# Altium PCB PCB2.PcbDoc (part 7 of 9) (continued)
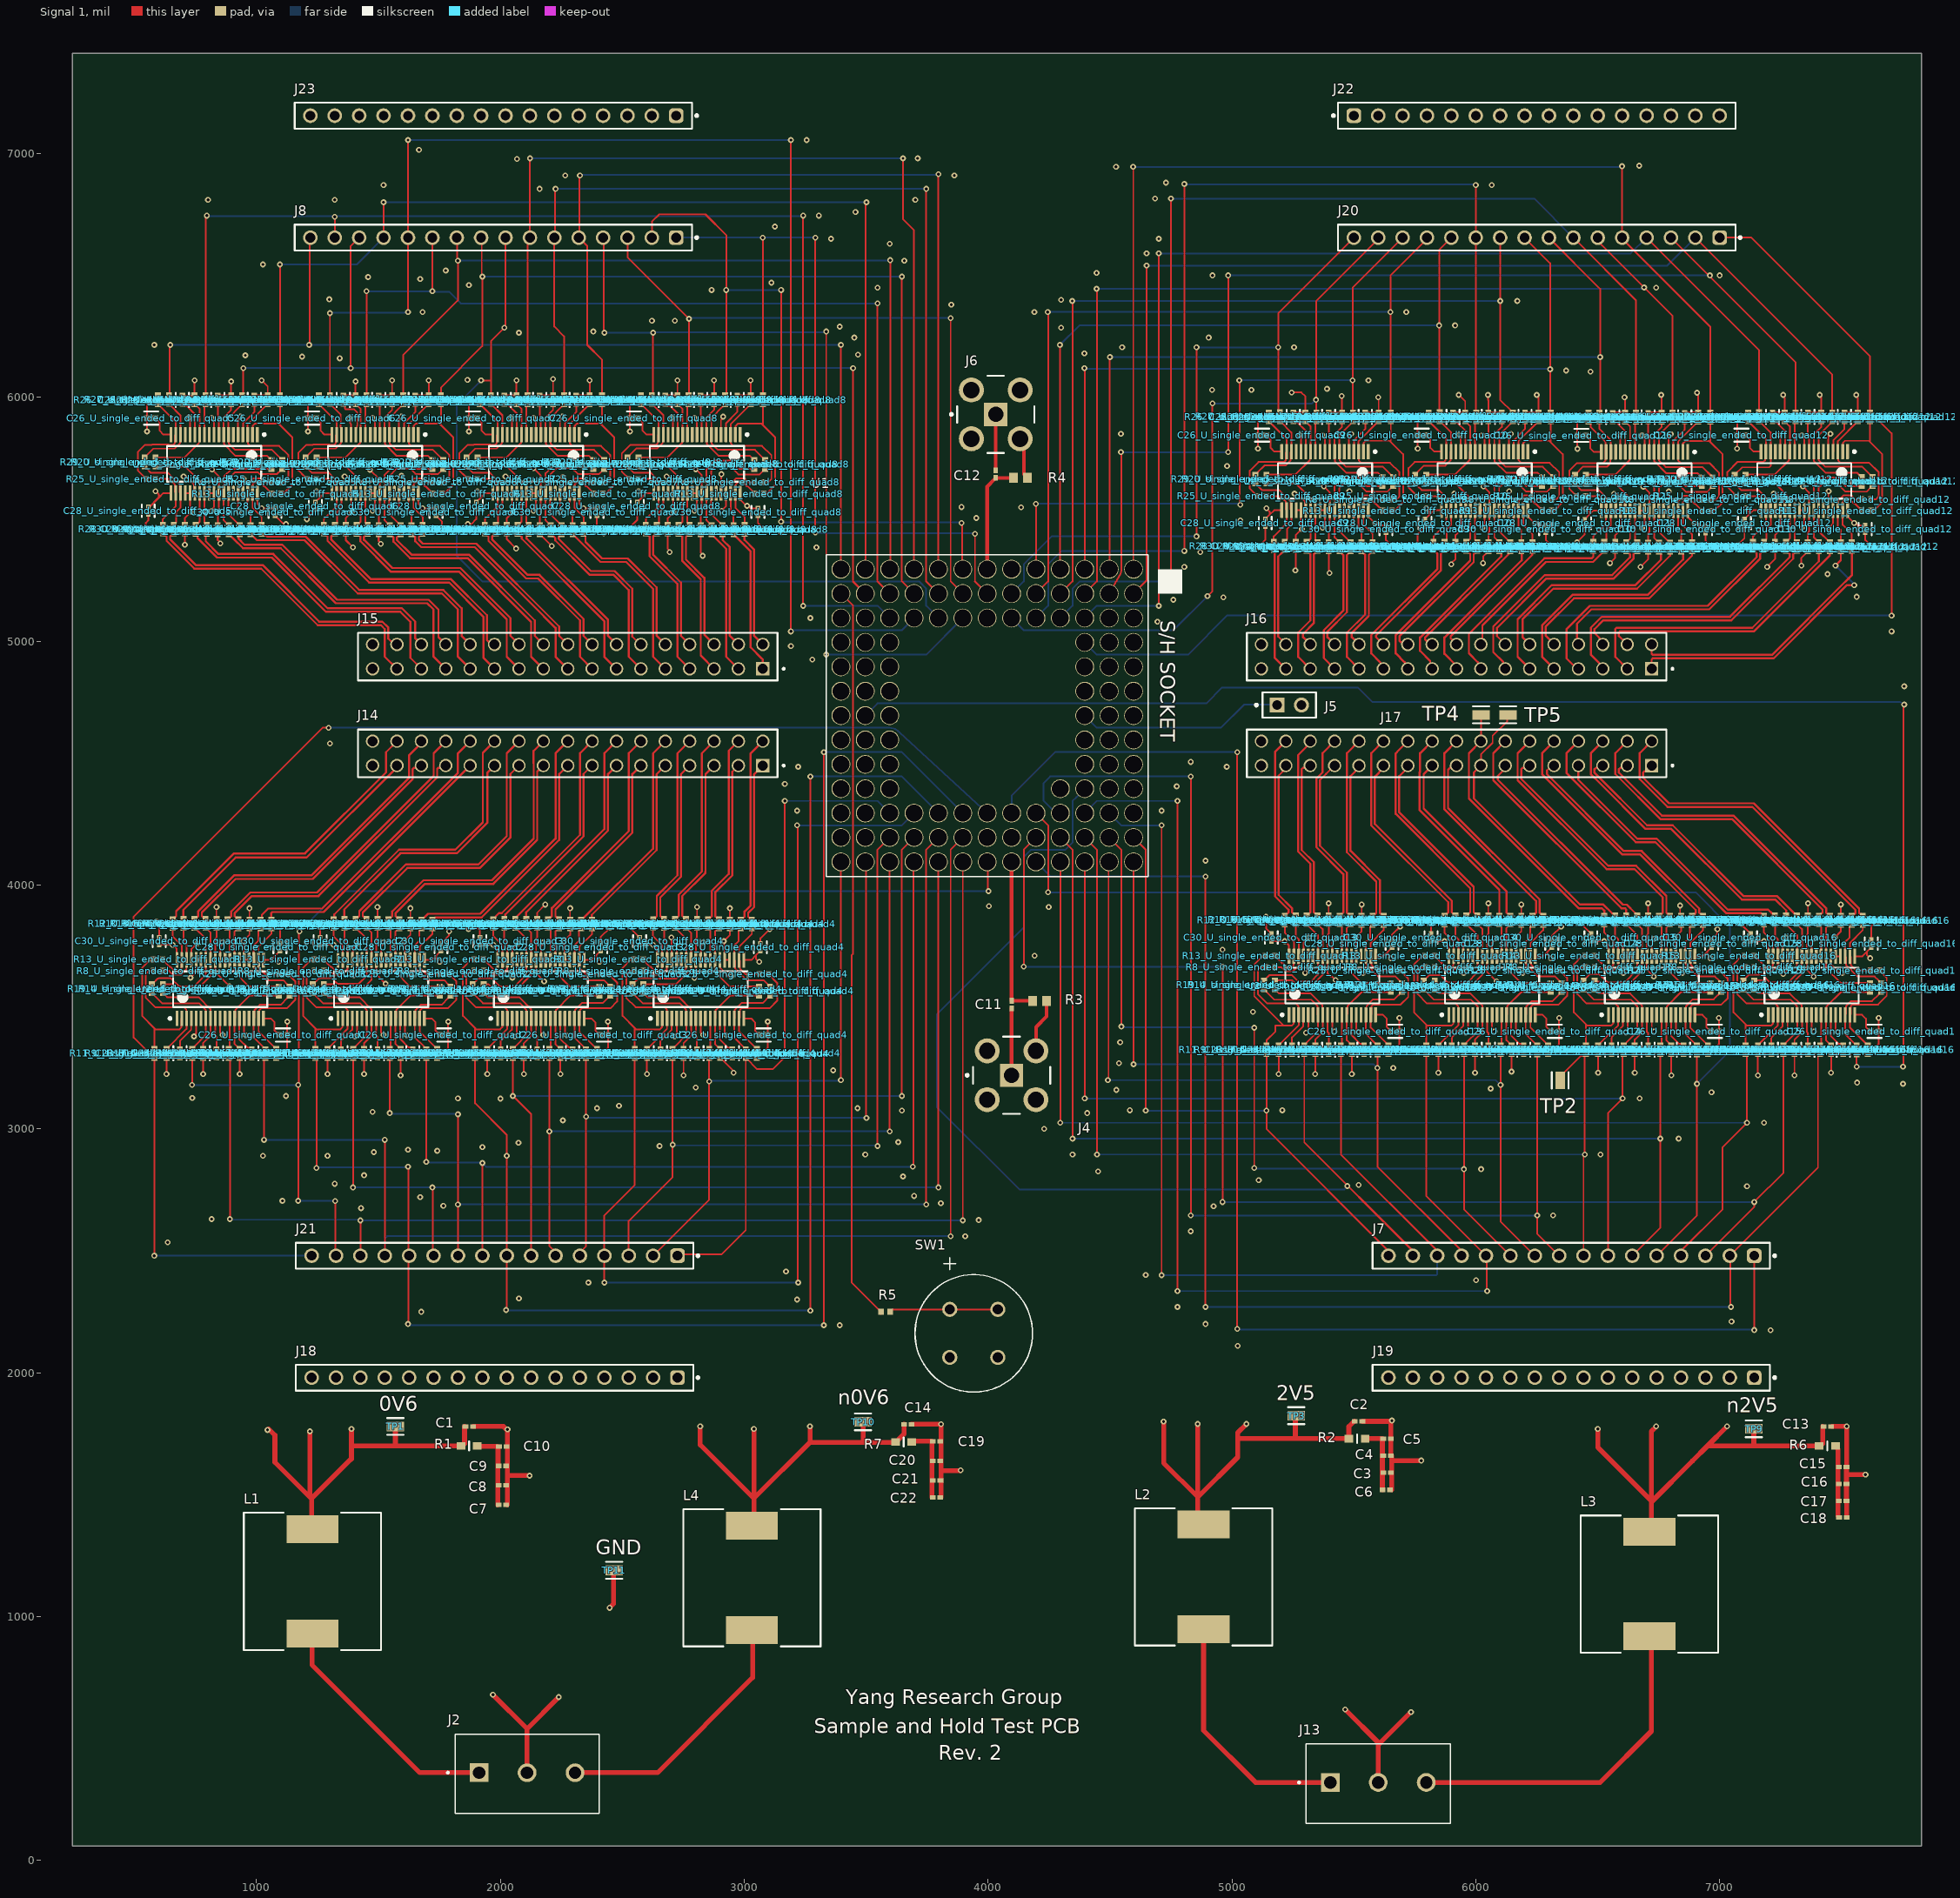
[diagram p0: Signal 1 view]
## Nets (pads, with @x,y where several pads share a name; then routed paths per layer and width w, separated by ;. In a path a pad name is that pad's centre, name@x,y a point inside that pad or via, vN(x,y) a via of type N, cw(c..) or ccw(c..) an arc to the next point about the centre after c; other vN are vias at no path point) (continued)
NetR12_U_single_ended_to_diff_quad6_2: R12_U_single_ended_to_diff_quad6.2 R13_U_single_ended_to_diff_quad6.2 U2_U_single_ended_to_diff_quad6.37 | length 283.6
  Signal 1 w7: R12_U_single_ended_to_diff_quad6.2@1681.68,5477.2 1681.68,5509.64 1644.16,5547.16 U2_U_single_ended_to_diff_quad6.37@1644.16,5607.13 1644.94,5607.91 1644.94,5642.87 1653.7,5651.62 1674,5651.62 1689.85,5635.77 1693.19,5635.77 1721.7,5607.26 R13_U_single_ended_to_diff_quad6.2@1721.7,5603.92
NetR12_U_single_ended_to_diff_quad7_2: R12_U_single_ended_to_diff_quad7.2 R13_U_single_ended_to_diff_quad7.2 U2_U_single_ended_to_diff_quad7.37 | length 283.6
  Signal 1 w7: R12_U_single_ended_to_diff_quad7.2@2341.68,5477.2 2341.68,5509.64 2304.16,5547.16 U2_U_single_ended_to_diff_quad7.37@2304.16,5607.13 2304.94,5607.91 2304.94,5642.87 2313.7,5651.62 2334,5651.62 2349.85,5635.77 2353.19,5635.77 2381.7,5607.26 R13_U_single_ended_to_diff_quad7.2@2381.7,5603.92
NetR12_U_single_ended_to_diff_quad8_2: R12_U_single_ended_to_diff_quad8.2 R13_U_single_ended_to_diff_quad8.2 U2_U_single_ended_to_diff_quad8.37 | length 283.6
  Signal 1 w7: R12_U_single_ended_to_diff_quad8.2@3001.68,5477.2 3001.68,5509.64 2964.16,5547.16 U2_U_single_ended_to_diff_quad8.37@2964.16,5607.13 2964.94,5607.91 2964.94,5642.87 2973.7,5651.62 2994,5651.62 3009.85,5635.77 3013.19,5635.77 3041.7,5607.26 R13_U_single_ended_to_diff_quad8.2@3041.7,5603.92
NetR12_U_single_ended_to_diff_quad9_2: R12_U_single_ended_to_diff_quad9.2 R13_U_single_ended_to_diff_quad9.2 U2_U_single_ended_to_diff_quad9.37 | length 283.6
  Signal 1 w7: R12_U_single_ended_to_diff_quad9.2@5576.68,5407.2 5576.68,5439.64 5539.16,5477.16 U2_U_single_ended_to_diff_quad9.37@5539.16,5537.13 5539.94,5537.91 5539.94,5572.87 5548.7,5581.62 5569,5581.62 5584.85,5565.77 5588.19,5565.77 5616.7,5537.26 R13_U_single_ended_to_diff_quad9.2@5616.7,5533.92
NetR12_U_single_ended_to_diff_quad10_2: R12_U_single_ended_to_diff_quad10.2 R13_U_single_ended_to_diff_quad10.2 U2_U_single_ended_to_diff_quad10.37 | length 283.6
  Signal 1 w7: R12_U_single_ended_to_diff_quad10.2@6231.68,5407.2 6231.68,5439.64 6194.16,5477.16 U2_U_single_ended_to_diff_quad10.37@6194.16,5537.13 6194.94,5537.91 6194.94,5572.87 6203.7,5581.62 6224,5581.62 6239.85,5565.77 6243.19,5565.77 6271.7,5537.26 R13_U_single_ended_to_diff_quad10.2@6271.7,5533.92
NetR12_U_single_ended_to_diff_quad11_2: R12_U_single_ended_to_diff_quad11.2 R13_U_single_ended_to_diff_quad11.2 U2_U_single_ended_to_diff_quad11.37 | length 283.6
  Signal 1 w7: R12_U_single_ended_to_diff_quad11.2@6886.68,5406.1 6886.68,5438.54 6849.16,5476.06 U2_U_single_ended_to_diff_quad11.37@6849.16,5536.02 6849.94,5536.8 6849.94,5571.76 6858.7,5580.52 6879,5580.52 6894.85,5564.67 6898.19,5564.67 6926.7,5536.16 R13_U_single_ended_to_diff_quad11.2@6926.7,5532.81
NetR12_U_single_ended_to_diff_quad12_2: R12_U_single_ended_to_diff_quad12.2 R13_U_single_ended_to_diff_quad12.2 U2_U_single_ended_to_diff_quad12.37 | length 283.6
  Signal 1 w7: R12_U_single_ended_to_diff_quad12.2@7541.68,5407.2 7541.68,5439.64 7504.16,5477.16 U2_U_single_ended_to_diff_quad12.37@7504.16,5537.13 7504.94,5537.91 7504.94,5572.87 7513.7,5581.62 7534,5581.62 7549.85,5565.77 7553.19,5565.77 7581.7,5537.26 R13_U_single_ended_to_diff_quad12.2@7581.7,5533.92
NetR12_U_single_ended_to_diff_quad13_2: R12_U_single_ended_to_diff_quad13.2 R13_U_single_ended_to_diff_quad13.2 U2_U_single_ended_to_diff_quad13.37 | length 283.6
  Signal 1 w7: R13_U_single_ended_to_diff_quad13.2@5176.66,3711.08 5176.66,3707.74 5205.17,3679.23 5208.52,3679.23 5224.37,3663.38 5244.67,3663.38 5253.42,3672.13 5253.42,3707.09 U2_U_single_ended_to_diff_quad13.37@5254.2,3707.87 5254.2,3767.84 5216.68,3805.36 R12_U_single_ended_to_diff_quad13.2@5216.68,3837.8
NetR12_U_single_ended_to_diff_quad14_2: R12_U_single_ended_to_diff_quad14.2 R13_U_single_ended_to_diff_quad14.2 U2_U_single_ended_to_diff_quad14.37 | length 283.6
  Signal 1 w7: R13_U_single_ended_to_diff_quad14.2@5831.66,3711.08 5831.66,3707.74 5860.17,3679.23 5863.52,3679.23 5879.37,3663.38 5899.67,3663.38 5908.42,3672.13 5908.42,3707.09 U2_U_single_ended_to_diff_quad14.37@5909.2,3707.87 5909.2,3767.84 5871.68,3805.36 R12_U_single_ended_to_diff_quad14.2@5871.68,3837.8
NetR12_U_single_ended_to_diff_quad15_2: R12_U_single_ended_to_diff_quad15.2 R13_U_single_ended_to_diff_quad15.2 U2_U_single_ended_to_diff_quad15.37 | length 283.6
  Signal 1 w7: R13_U_single_ended_to_diff_quad15.2@6486.66,3711.08 6486.66,3707.74 6515.17,3679.23 6518.52,3679.23 6534.37,3663.38 6554.67,3663.38 6563.42,3672.13 6563.42,3707.09 U2_U_single_ended_to_diff_quad15.37@6564.2,3707.87 6564.2,3767.84 6526.68,3805.36 R12_U_single_ended_to_diff_quad15.2@6526.68,3837.8
NetR12_U_single_ended_to_diff_quad16_2: R12_U_single_ended_to_diff_quad16.2 R13_U_single_ended_to_diff_quad16.2 U2_U_single_ended_to_diff_quad16.37 | length 283
  Signal 1 w7: R13_U_single_ended_to_diff_quad16.2@7140.58,3710 7140.58,3708.82 7148.6,3700.8 7151.95,3700.8 7189.37,3663.38 7209.67,3663.38 7218.42,3672.13 7218.42,3707.09 U2_U_single_ended_to_diff_quad16.37@7219.2,3707.87 7219.2,3767.84 7181.68,3805.36 R12_U_single_ended_to_diff_quad16.2@7181.68,3837.8
NetR14_U_single_ended_to_diff_quad1_1: R14_U_single_ended_to_diff_quad1.1 R15_U_single_ended_to_diff_quad1.2 U2_U_single_ended_to_diff_quad1.8 | length 397.2
  Signal 1 w7: R14_U_single_ended_to_diff_quad1.1@616.68,3556.1 617.86,3556.1 633.97,3540 762.93,3540 811.53,3491.4 811.53,3453.5 U2_U_single_ended_to_diff_quad1.8@812.31,3452.72 812.31,3381.9 781.68,3351.27 R15_U_single_ended_to_diff_quad1.2@781.68,3328.9
NetR14_U_single_ended_to_diff_quad1_2: R14_U_single_ended_to_diff_quad1.2 R16_U_single_ended_to_diff_quad1.2 U2_U_single_ended_to_diff_quad1.31 | length 434.3
  Signal 1 w6: R16_U_single_ended_to_diff_quad1.2@791.68,3823.9 R16_U_single_ended_to_diff_quad1.2@792.86,3823.9
  Signal 1 w7: R14_U_single_ended_to_diff_quad1.2@616.68,3593.9 653.8,3593.9 676.69,3571 756,3571 811.53,3626.53 811.53,3692.09 U2_U_single_ended_to_diff_quad1.31@812.31,3692.87 812.31,3804.45 R16_U_single_ended_to_diff_quad1.2@792.86,3823.9
NetR14_U_single_ended_to_diff_quad2_1: R14_U_single_ended_to_diff_quad2.1 R15_U_single_ended_to_diff_quad2.2 U2_U_single_ended_to_diff_quad2.8 | length 397.2
  Signal 1 w7: R14_U_single_ended_to_diff_quad2.1@1276.68,3556.1 1277.86,3556.1 1293.97,3540 1422.93,3540 1471.53,3491.4 1471.53,3453.5 U2_U_single_ended_to_diff_quad2.8@1472.31,3452.72 1472.31,3381.9 1441.68,3351.27 R15_U_single_ended_to_diff_quad2.2@1441.68,3328.9
NetR14_U_single_ended_to_diff_quad2_2: R14_U_single_ended_to_diff_quad2.2 R16_U_single_ended_to_diff_quad2.2 U2_U_single_ended_to_diff_quad2.31 | length 435.6
  Signal 1 w7: R14_U_single_ended_to_diff_quad2.2@1276.68,3593.9 1313.8,3593.9 1326.69,3581 1442.37,3581 1471.53,3610.16 1471.53,3692.09 U2_U_single_ended_to_diff_quad2.31@1472.31,3692.87 1472.31,3804.45 1452.86,3823.9 R16_U_single_ended_to_diff_quad2.2@1451.68,3823.9
NetR14_U_single_ended_to_diff_quad3_1: R14_U_single_ended_to_diff_quad3.1 R15_U_single_ended_to_diff_quad3.2 U2_U_single_ended_to_diff_quad3.8 | length 397.2
  Signal 1 w7: R14_U_single_ended_to_diff_quad3.1@1931.68,3556.1 1932.86,3556.1 1948.97,3540 2077.93,3540 2126.53,3491.4 2126.53,3453.5 U2_U_single_ended_to_diff_quad3.8@2127.31,3452.72 2127.31,3381.9 2096.68,3351.27 R15_U_single_ended_to_diff_quad3.2@2096.68,3328.9
NetR14_U_single_ended_to_diff_quad3_2: R14_U_single_ended_to_diff_quad3.2 R16_U_single_ended_to_diff_quad3.2 U2_U_single_ended_to_diff_quad3.31 | length 432.2
  Signal 1 w7: R14_U_single_ended_to_diff_quad3.2@1931.68,3593.9 1951.1,3593.9 1975,3570 2065,3570 2126.53,3631.53 2126.53,3692.09 U2_U_single_ended_to_diff_quad3.31@2127.31,3692.87 2127.31,3804.45 2107.86,3823.9 R16_U_single_ended_to_diff_quad3.2@2106.68,3823.9
NetR14_U_single_ended_to_diff_quad4_1: R14_U_single_ended_to_diff_quad4.1 R15_U_single_ended_to_diff_quad4.2 U2_U_single_ended_to_diff_quad4.8 | length 397.2
  Signal 1 w7: R14_U_single_ended_to_diff_quad4.1@2586.68,3556.1 2587.86,3556.1 2603.97,3540 2732.93,3540 2781.53,3491.4 2781.53,3453.5 U2_U_single_ended_to_diff_quad4.8@2782.31,3452.72 2782.31,3381.9 2751.68,3351.27 R15_U_single_ended_to_diff_quad4.2@2751.68,3328.9
NetR14_U_single_ended_to_diff_quad4_2: R14_U_single_ended_to_diff_quad4.2 R16_U_single_ended_to_diff_quad4.2 U2_U_single_ended_to_diff_quad4.31 | length 399.1
  Signal 1 w6: R16_U_single_ended_to_diff_quad4.2@2761.68,3823.9 R16_U_single_ended_to_diff_quad4.2@2762.86,3823.9
  Signal 1 w7: R14_U_single_ended_to_diff_quad4.2@2586.68,3593.9 2721.24,3593.9 2781.53,3654.19 2781.53,3692.09 U2_U_single_ended_to_diff_quad4.31@2782.31,3692.87 2782.31,3804.45 R16_U_single_ended_to_diff_quad4.2@2762.86,3823.9
NetR14_U_single_ended_to_diff_quad5_1: R14_U_single_ended_to_diff_quad5.1 R15_U_single_ended_to_diff_quad5.2 U2_U_single_ended_to_diff_quad5.8 | length 397.2
  Signal 1 w7: R15_U_single_ended_to_diff_quad5.2@896.68,5971.1 896.68,5948.73 866.05,5918.1 U2_U_single_ended_to_diff_quad5.8@866.05,5847.28 866.83,5846.5 866.83,5808.6 915.43,5760 1044.4,5760 1060.5,5743.9 R14_U_single_ended_to_diff_quad5.1@1061.68,5743.9
NetR14_U_single_ended_to_diff_quad5_2: R14_U_single_ended_to_diff_quad5.2 R16_U_single_ended_to_diff_quad5.2 U2_U_single_ended_to_diff_quad5.31 | length 416.1
  Signal 1 w7: R16_U_single_ended_to_diff_quad5.2@886.68,5476.1 885.5,5476.1 866.05,5495.55 U2_U_single_ended_to_diff_quad5.31@866.05,5607.13 866.83,5607.91 866.83,5674.83 898.1,5706.1 R14_U_single_ended_to_diff_quad5.2@1061.68,5706.1
NetR14_U_single_ended_to_diff_quad6_1: R14_U_single_ended_to_diff_quad6.1 R15_U_single_ended_to_diff_quad6.2 U2_U_single_ended_to_diff_quad6.8 | length 397.2
  Signal 1 w7: R15_U_single_ended_to_diff_quad6.2@1556.68,5971.1 1556.68,5948.73 1526.05,5918.1 U2_U_single_ended_to_diff_quad6.8@1526.05,5847.28 1526.83,5846.5 1526.83,5808.6 1575.43,5760 1704.4,5760 1720.5,5743.9 R14_U_single_ended_to_diff_quad6.1@1721.68,5743.9
NetR14_U_single_ended_to_diff_quad6_2: R14_U_single_ended_to_diff_quad6.2 R16_U_single_ended_to_diff_quad6.2 U2_U_single_ended_to_diff_quad6.31 | length 433.9
  Signal 1 w7: R16_U_single_ended_to_diff_quad6.2@1546.68,5476.1 1545.5,5476.1 1526.05,5495.55 U2_U_single_ended_to_diff_quad6.31@1526.05,5607.13 1526.05,5682.05 1566,5722 1634.73,5722 1650.63,5706.1 R14_U_single_ended_to_diff_quad6.2@1721.68,5706.1
NetR14_U_single_ended_to_diff_quad7_1: R14_U_single_ended_to_diff_quad7.1 R15_U_single_ended_to_diff_quad7.2 U2_U_single_ended_to_diff_quad7.8 | length 397.2
  Signal 1 w7: R15_U_single_ended_to_diff_quad7.2@2216.68,5971.1 2216.68,5948.73 2186.05,5918.1 U2_U_single_ended_to_diff_quad7.8@2186.05,5847.28 2186.83,5846.5 2186.83,5808.6 2235.43,5760 2364.4,5760 2380.5,5743.9 R14_U_single_ended_to_diff_quad7.1@2381.68,5743.9
NetR14_U_single_ended_to_diff_quad7_2: R14_U_single_ended_to_diff_quad7.2 R16_U_single_ended_to_diff_quad7.2 U2_U_single_ended_to_diff_quad7.31 | length 437.9
  Signal 1 w7: R16_U_single_ended_to_diff_quad7.2@2206.68,5476.1 2205.5,5476.1 2186.05,5495.55 U2_U_single_ended_to_diff_quad7.31@2186.05,5607.13 2186.05,5688.05 2220.5,5722.5 2299.49,5722.5 2308.37,5713.63 2372.98,5713.63 2380.5,5706.1 R14_U_single_ended_to_diff_quad7.2@2381.68,5706.1
NetR14_U_single_ended_to_diff_quad8_1: R14_U_single_ended_to_diff_quad8.1 R15_U_single_ended_to_diff_quad8.2 U2_U_single_ended_to_diff_quad8.8 | length 397.2
  Signal 1 w7: R15_U_single_ended_to_diff_quad8.2@2876.68,5971.1 2876.68,5948.73 2846.05,5918.1 U2_U_single_ended_to_diff_quad8.8@2846.05,5847.28 2846.83,5846.5 2846.83,5808.6 2895.43,5760 3024.4,5760 3040.5,5743.9 R14_U_single_ended_to_diff_quad8.1@3041.68,5743.9
NetR14_U_single_ended_to_diff_quad8_2: R14_U_single_ended_to_diff_quad8.2 R16_U_single_ended_to_diff_quad8.2 U2_U_single_ended_to_diff_quad8.31 | length 462.8
  Signal 1 w7: R16_U_single_ended_to_diff_quad8.2@2866.68,5476.1 2865.5,5476.1 2846.05,5495.55 U2_U_single_ended_to_diff_quad8.31@2846.05,5607.13 2846.05,5704.37 2882.68,5741 2941.35,5741 2976.24,5706.1 R14_U_single_ended_to_diff_quad8.2@3041.68,5706.1
NetR14_U_single_ended_to_diff_quad9_1: R14_U_single_ended_to_diff_quad9.1 R15_U_single_ended_to_diff_quad9.2 U2_U_single_ended_to_diff_quad9.8 | length 397.2
  Signal 1 w7: R15_U_single_ended_to_diff_quad9.2@5451.68,5901.1 5451.68,5878.73 5421.05,5848.1 U2_U_single_ended_to_diff_quad9.8@5421.05,5777.28 5421.83,5776.5 5421.83,5738.6 5470.43,5690 5599.4,5690 5615.5,5673.9 R14_U_single_ended_to_diff_quad9.1@5616.68,5673.9
NetR14_U_single_ended_to_diff_quad9_2: R14_U_single_ended_to_diff_quad9.2 R16_U_single_ended_to_diff_quad9.2 U2_U_single_ended_to_diff_quad9.31 | length 462.8
  Signal 1 w7: R16_U_single_ended_to_diff_quad9.2@5441.68,5406.1 5440.5,5406.1 5421.05,5425.55 U2_U_single_ended_to_diff_quad9.31@5421.05,5537.13 5421.05,5634.37 5457.68,5671 5516.35,5671 5551.24,5636.1 R14_U_single_ended_to_diff_quad9.2@5616.68,5636.1
NetR14_U_single_ended_to_diff_quad10_1: R14_U_single_ended_to_diff_quad10.1 R15_U_single_ended_to_diff_quad10.2 U2_U_single_ended_to_diff_quad10.8 | length 397.2
  Signal 1 w7: R15_U_single_ended_to_diff_quad10.2@6106.68,5901.1 6106.68,5878.73 6076.05,5848.1 U2_U_single_ended_to_diff_quad10.8@6076.05,5777.28 6076.83,5776.5 6076.83,5738.6 6125.43,5690 6254.4,5690 6270.5,5673.9 R14_U_single_ended_to_diff_quad10.1@6271.68,5673.9
NetR14_U_single_ended_to_diff_quad10_2: R14_U_single_ended_to_diff_quad10.2 R16_U_single_ended_to_diff_quad10.2 U2_U_single_ended_to_diff_quad10.31 | length 462.8
  Signal 1 w7: R16_U_single_ended_to_diff_quad10.2@6096.68,5406.1 6095.5,5406.1 6076.05,5425.55 U2_U_single_ended_to_diff_quad10.31@6076.05,5537.13 6076.05,5634.37 6112.68,5671 6171.35,5671 6206.24,5636.1 R14_U_single_ended_to_diff_quad10.2@6271.68,5636.1
NetR14_U_single_ended_to_diff_quad11_1: R14_U_single_ended_to_diff_quad11.1 R15_U_single_ended_to_diff_quad11.2 U2_U_single_ended_to_diff_quad11.8 | length 397.2
  Signal 1 w7: R15_U_single_ended_to_diff_quad11.2@6761.68,5900 6761.68,5877.63 6731.05,5847 U2_U_single_ended_to_diff_quad11.8@6731.05,5776.18 6731.83,5775.4 6731.83,5737.5 6780.43,5688.9 6909.4,5688.9 6925.5,5672.8 R14_U_single_ended_to_diff_quad11.1@6926.68,5672.8
NetR14_U_single_ended_to_diff_quad11_2: R14_U_single_ended_to_diff_quad11.2 R16_U_single_ended_to_diff_quad11.2 U2_U_single_ended_to_diff_quad11.31 | length 462.8
  Signal 1 w7: R16_U_single_ended_to_diff_quad11.2@6751.68,5405 6750.5,5405 6731.05,5424.45 U2_U_single_ended_to_diff_quad11.31@6731.05,5536.02 6731.05,5633.27 6767.68,5669.9 6826.35,5669.9 6861.24,5635 R14_U_single_ended_to_diff_quad11.2@6926.68,5635
NetR14_U_single_ended_to_diff_quad12_1: R14_U_single_ended_to_diff_quad12.1 R15_U_single_ended_to_diff_quad12.2 U2_U_single_ended_to_diff_quad12.8 | length 397.2
  Signal 1 w7: R15_U_single_ended_to_diff_quad12.2@7416.68,5901.1 7416.68,5878.73 7386.05,5848.1 U2_U_single_ended_to_diff_quad12.8@7386.05,5777.28 7386.83,5776.5 7386.83,5738.6 7435.43,5690 7564.4,5690 7580.5,5673.9 R14_U_single_ended_to_diff_quad12.1@7581.68,5673.9
NetR14_U_single_ended_to_diff_quad12_2: R14_U_single_ended_to_diff_quad12.2 R16_U_single_ended_to_diff_quad12.2 U2_U_single_ended_to_diff_quad12.31 | length 462.8
  Signal 1 w7: R16_U_single_ended_to_diff_quad12.2@7406.68,5406.1 7405.5,5406.1 7386.05,5425.55 U2_U_single_ended_to_diff_quad12.31@7386.05,5537.13 7386.05,5634.37 7422.68,5671 7481.35,5671 7516.24,5636.1 R14_U_single_ended_to_diff_quad12.2@7581.68,5636.1
NetR14_U_single_ended_to_diff_quad13_1: R14_U_single_ended_to_diff_quad13.1 R15_U_single_ended_to_diff_quad13.2 U2_U_single_ended_to_diff_quad13.8 | length 397.2
  Signal 1 w7: R14_U_single_ended_to_diff_quad13.1@5176.68,3571.1 5177.86,3571.1 5193.97,3555 5322.93,3555 5371.53,3506.4 5371.53,3468.5 U2_U_single_ended_to_diff_quad13.8@5372.31,3467.72 5372.31,3396.9 5341.68,3366.27 R15_U_single_ended_to_diff_quad13.2@5341.68,3343.9
NetR14_U_single_ended_to_diff_quad13_2: R14_U_single_ended_to_diff_quad13.2 R16_U_single_ended_to_diff_quad13.2 U2_U_single_ended_to_diff_quad13.31 | length 436.8
  Signal 1 w7: R14_U_single_ended_to_diff_quad13.2@5176.68,3608.9 5247.66,3608.9 5266.56,3590 5330,3590 5372.31,3632.31 U2_U_single_ended_to_diff_quad13.31@5372.31,3707.87 5372.31,3819.45 5352.86,3838.9 R16_U_single_ended_to_diff_quad13.2@5351.68,3838.9
NetR14_U_single_ended_to_diff_quad14_1: R14_U_single_ended_to_diff_quad14.1 R15_U_single_ended_to_diff_quad14.2 U2_U_single_ended_to_diff_quad14.8 | length 397.2
  Signal 1 w7: R14_U_single_ended_to_diff_quad14.1@5831.68,3571.1 5832.86,3571.1 5848.97,3555 5977.93,3555 6026.53,3506.4 6026.53,3468.5 U2_U_single_ended_to_diff_quad14.8@6027.31,3467.72 6027.31,3396.9 5996.68,3366.27 R15_U_single_ended_to_diff_quad14.2@5996.68,3343.9
NetR14_U_single_ended_to_diff_quad14_2: R14_U_single_ended_to_diff_quad14.2 R16_U_single_ended_to_diff_quad14.2 U2_U_single_ended_to_diff_quad14.31 | length 440.9
  Signal 1 w7: R14_U_single_ended_to_diff_quad14.2@5831.68,3608.9 5832.86,3608.9 5856.76,3585 5980,3585 6026.53,3631.53 6026.53,3707.09 U2_U_single_ended_to_diff_quad14.31@6027.31,3707.87 6027.31,3819.45 6007.86,3838.9 R16_U_single_ended_to_diff_quad14.2@6006.68,3838.9
NetR14_U_single_ended_to_diff_quad15_1: R14_U_single_ended_to_diff_quad15.1 R15_U_single_ended_to_diff_quad15.2 U2_U_single_ended_to_diff_quad15.8 | length 397.2
  Signal 1 w7: R14_U_single_ended_to_diff_quad15.1@6486.68,3571.1 6487.86,3571.1 6503.97,3555 6632.93,3555 6681.53,3506.4 6681.53,3468.5 U2_U_single_ended_to_diff_quad15.8@6682.31,3467.72 6682.31,3396.9 6651.68,3366.27 R15_U_single_ended_to_diff_quad15.2@6651.68,3343.9
NetR14_U_single_ended_to_diff_quad15_2: R14_U_single_ended_to_diff_quad15.2 R16_U_single_ended_to_diff_quad15.2 U2_U_single_ended_to_diff_quad15.31 | length 431.2
  Signal 1 w7: R14_U_single_ended_to_diff_quad15.2@6486.68,3608.9 6490.87,3604.71 6505.29,3604.71 6524,3586 6620.8,3586 6682.31,3647.51 6682.31,3819.45 6662.86,3838.9 R16_U_single_ended_to_diff_quad15.2@6661.68,3838.9
NetR14_U_single_ended_to_diff_quad16_1: R14_U_single_ended_to_diff_quad16.1 R15_U_single_ended_to_diff_quad16.2 U2_U_single_ended_to_diff_quad16.8 | length 397.2
  Signal 1 w7: R14_U_single_ended_to_diff_quad16.1@7141.68,3571.1 7142.86,3571.1 7158.97,3555 7287.93,3555 7336.53,3506.4 7336.53,3468.5 U2_U_single_ended_to_diff_quad16.8@7337.31,3467.72 7337.31,3396.9 7306.68,3366.27 R15_U_single_ended_to_diff_quad16.2@7306.68,3343.9
NetR14_U_single_ended_to_diff_quad16_2: R14_U_single_ended_to_diff_quad16.2 R16_U_single_ended_to_diff_quad16.2 U2_U_single_ended_to_diff_quad16.31 | length 437.2
  Signal 1 w7: R14_U_single_ended_to_diff_quad16.2@7141.68,3608.9 7178.8,3608.9 7201.69,3586 7286,3586 7336.53,3636.53 7336.53,3707.09 U2_U_single_ended_to_diff_quad16.31@7337.31,3707.87 7337.31,3819.45 7317.86,3838.9 R16_U_single_ended_to_diff_quad16.2@7316.68,3838.9
NetR17_U_single_ended_to_diff_quad1_2: R17_U_single_ended_to_diff_quad1.2 R19_U_single_ended_to_diff_quad1.1 U2_U_single_ended_to_diff_quad1.7 | length 431.9
  Signal 1 w7: R19_U_single_ended_to_diff_quad1.1@571.68,3556.1 572.86,3556.1 613.97,3515 765.3,3515 791.85,3488.46 791.85,3453.5 U2_U_single_ended_to_diff_quad1.7@792.63,3452.72 792.52,3452.61 792.52,3384.73 745.89,3338.1 745.89,3336.92 737.86,3328.9 R17_U_single_ended_to_diff_quad1.2@736.68,3328.9
NetR17_U_single_ended_to_diff_quad2_2: R17_U_single_ended_to_diff_quad2.2 R19_U_single_ended_to_diff_quad2.1 U2_U_single_ended_to_diff_quad2.7 | length 431.9
  Signal 1 w7: R19_U_single_ended_to_diff_quad2.1@1231.68,3556.1 1232.86,3556.1 1273.97,3515 1425.3,3515 1451.85,3488.46 1451.85,3453.5 U2_U_single_ended_to_diff_quad2.7@1452.63,3452.72 1452.52,3452.61 1452.52,3384.73 1405.89,3338.1 1405.89,3336.92 1397.86,3328.9 R17_U_single_ended_to_diff_quad2.2@1396.68,3328.9
NetR17_U_single_ended_to_diff_quad3_2: R17_U_single_ended_to_diff_quad3.2 R19_U_single_ended_to_diff_quad3.1 U2_U_single_ended_to_diff_quad3.7 | length 431.9
  Signal 1 w7: R19_U_single_ended_to_diff_quad3.1@1886.68,3556.1 1887.86,3556.1 1928.97,3515 2080.3,3515 2106.85,3488.46 2106.85,3453.5 U2_U_single_ended_to_diff_quad3.7@2107.63,3452.72 2107.52,3452.61 2107.52,3384.73 2060.89,3338.1 2060.89,3336.92 2052.86,3328.9 R17_U_single_ended_to_diff_quad3.2@2051.68,3328.9
NetR17_U_single_ended_to_diff_quad4_2: R17_U_single_ended_to_diff_quad4.2 R19_U_single_ended_to_diff_quad4.1 U2_U_single_ended_to_diff_quad4.7 | length 431.9
  Signal 1 w7: R19_U_single_ended_to_diff_quad4.1@2541.68,3556.1 2542.86,3556.1 2583.97,3515 2735.3,3515 2761.85,3488.46 2761.85,3453.5 U2_U_single_ended_to_diff_quad4.7@2762.63,3452.72 2762.52,3452.61 2762.52,3384.73 2715.89,3338.1 2715.89,3336.92 2707.86,3328.9 R17_U_single_ended_to_diff_quad4.2@2706.68,3328.9
NetR17_U_single_ended_to_diff_quad5_2: R17_U_single_ended_to_diff_quad5.2 R19_U_single_ended_to_diff_quad5.1 U2_U_single_ended_to_diff_quad5.7 | length 431.9
  Signal 1 w7: R17_U_single_ended_to_diff_quad5.2@941.68,5971.1 940.5,5971.1 932.48,5963.08 932.48,5961.9 885.85,5915.27 885.85,5847.39 U2_U_single_ended_to_diff_quad5.7@885.74,5847.28 886.52,5846.5 886.52,5811.54 913.06,5785 1064.4,5785 1105.5,5743.9 R19_U_single_ended_to_diff_quad5.1@1106.68,5743.9
NetR17_U_single_ended_to_diff_quad6_2: R17_U_single_ended_to_diff_quad6.2 R19_U_single_ended_to_diff_quad6.1 U2_U_single_ended_to_diff_quad6.7 | length 431.9
  Signal 1 w7: R17_U_single_ended_to_diff_quad6.2@1601.68,5971.1 1600.5,5971.1 1592.48,5963.08 1592.48,5961.9 1545.85,5915.27 1545.85,5847.39 U2_U_single_ended_to_diff_quad6.7@1545.74,5847.28 1546.52,5846.5 1546.52,5811.54 1573.06,5785 1724.4,5785 1765.5,5743.9 R19_U_single_ended_to_diff_quad6.1@1766.68,5743.9
NetR17_U_single_ended_to_diff_quad7_2: R17_U_single_ended_to_diff_quad7.2 R19_U_single_ended_to_diff_quad7.1 U2_U_single_ended_to_diff_quad7.7 | length 431.9
  Signal 1 w7: R17_U_single_ended_to_diff_quad7.2@2261.68,5971.1 2260.5,5971.1 2252.48,5963.08 2252.48,5961.9 2205.85,5915.27 2205.85,5847.39 U2_U_single_ended_to_diff_quad7.7@2205.74,5847.28 2206.52,5846.5 2206.52,5811.54 2233.06,5785 2384.4,5785 2425.5,5743.9 R19_U_single_ended_to_diff_quad7.1@2426.68,5743.9
NetR17_U_single_ended_to_diff_quad8_2: R17_U_single_ended_to_diff_quad8.2 R19_U_single_ended_to_diff_quad8.1 U2_U_single_ended_to_diff_quad8.7 | length 431.9
  Signal 1 w7: R17_U_single_ended_to_diff_quad8.2@2921.68,5971.1 2920.5,5971.1 2912.48,5963.08 2912.48,5961.9 2865.85,5915.27 2865.85,5847.39 U2_U_single_ended_to_diff_quad8.7@2865.74,5847.28 2866.52,5846.5 2866.52,5811.54 2893.06,5785 3044.4,5785 3085.5,5743.9 R19_U_single_ended_to_diff_quad8.1@3086.68,5743.9
NetR17_U_single_ended_to_diff_quad9_2: R17_U_single_ended_to_diff_quad9.2 R19_U_single_ended_to_diff_quad9.1 U2_U_single_ended_to_diff_quad9.7 | length 431.9
  Signal 1 w7: R17_U_single_ended_to_diff_quad9.2@5496.68,5901.1 5495.5,5901.1 5487.48,5893.08 5487.48,5891.9 5440.85,5845.27 5440.85,5777.39 U2_U_single_ended_to_diff_quad9.7@5440.74,5777.28 5441.52,5776.5 5441.52,5741.54 5468.06,5715 5619.4,5715 5660.5,5673.9 R19_U_single_ended_to_diff_quad9.1@5661.68,5673.9
NetR17_U_single_ended_to_diff_quad10_2: R17_U_single_ended_to_diff_quad10.2 R19_U_single_ended_to_diff_quad10.1 U2_U_single_ended_to_diff_quad10.7 | length 431.9
  Signal 1 w7: R17_U_single_ended_to_diff_quad10.2@6151.68,5901.1 6150.5,5901.1 6142.48,5893.08 6142.48,5891.9 6095.85,5845.27 6095.85,5777.39 U2_U_single_ended_to_diff_quad10.7@6095.74,5777.28 6096.52,5776.5 6096.52,5741.54 6123.06,5715 6274.4,5715 6315.5,5673.9 R19_U_single_ended_to_diff_quad10.1@6316.68,5673.9
NetR17_U_single_ended_to_diff_quad11_2: R17_U_single_ended_to_diff_quad11.2 R19_U_single_ended_to_diff_quad11.1 U2_U_single_ended_to_diff_quad11.7 | length 431.9
  Signal 1 w7: R17_U_single_ended_to_diff_quad11.2@6806.68,5900 6805.5,5900 6797.48,5891.98 6797.48,5890.8 6750.85,5844.16 6750.85,5776.29 U2_U_single_ended_to_diff_quad11.7@6750.74,5776.18 6751.52,5775.4 6751.52,5740.44 6778.06,5713.9 6929.4,5713.9 6970.5,5672.8 R19_U_single_ended_to_diff_quad11.1@6971.68,5672.8
NetR17_U_single_ended_to_diff_quad12_2: R17_U_single_ended_to_diff_quad12.2 R19_U_single_ended_to_diff_quad12.1 U2_U_single_ended_to_diff_quad12.7 | length 431.9
  Signal 1 w7: R17_U_single_ended_to_diff_quad12.2@7461.68,5901.1 7460.5,5901.1 7452.48,5893.08 7452.48,5891.9 7405.85,5845.27 7405.85,5777.39 U2_U_single_ended_to_diff_quad12.7@7405.74,5777.28 7406.52,5776.5 7406.52,5741.54 7433.06,5715 7584.4,5715 7625.5,5673.9 R19_U_single_ended_to_diff_quad12.1@7626.68,5673.9
NetR17_U_single_ended_to_diff_quad13_2: R17_U_single_ended_to_diff_quad13.2 R19_U_single_ended_to_diff_quad13.1 U2_U_single_ended_to_diff_quad13.7 | length 431.9
  Signal 1 w7: R19_U_single_ended_to_diff_quad13.1@5131.68,3571.1 5132.86,3571.1 5173.97,3530 5325.3,3530 5351.85,3503.46 5351.85,3468.5 U2_U_single_ended_to_diff_quad13.7@5352.63,3467.72 5352.52,3467.61 5352.52,3399.73 5305.89,3353.1 5305.89,3351.92 5297.86,3343.9 R17_U_single_ended_to_diff_quad13.2@5296.68,3343.9
NetR17_U_single_ended_to_diff_quad14_2: R17_U_single_ended_to_diff_quad14.2 R19_U_single_ended_to_diff_quad14.1 U2_U_single_ended_to_diff_quad14.7 | length 431.9
  Signal 1 w7: R19_U_single_ended_to_diff_quad14.1@5786.68,3571.1 5787.86,3571.1 5828.97,3530 5980.3,3530 6006.85,3503.46 6006.85,3468.5 U2_U_single_ended_to_diff_quad14.7@6007.63,3467.72 6007.52,3467.61 6007.52,3399.73 5960.89,3353.1 5960.89,3351.92 5952.86,3343.9 R17_U_single_ended_to_diff_quad14.2@5951.68,3343.9
NetR17_U_single_ended_to_diff_quad15_2: R17_U_single_ended_to_diff_quad15.2 R19_U_single_ended_to_diff_quad15.1 U2_U_single_ended_to_diff_quad15.7 | length 431.9
  Signal 1 w7: R19_U_single_ended_to_diff_quad15.1@6441.68,3571.1 6442.86,3571.1 6483.97,3530 6635.3,3530 6661.85,3503.46 6661.85,3468.5 U2_U_single_ended_to_diff_quad15.7@6662.63,3467.72 6662.52,3467.61 6662.52,3399.73 6615.89,3353.1 6615.89,3351.92 6607.86,3343.9 R17_U_single_ended_to_diff_quad15.2@6606.68,3343.9
NetR17_U_single_ended_to_diff_quad16_2: R17_U_single_ended_to_diff_quad16.2 R19_U_single_ended_to_diff_quad16.1 U2_U_single_ended_to_diff_quad16.7 | length 431.9
  Signal 1 w7: R19_U_single_ended_to_diff_quad16.1@7096.68,3571.1 7097.86,3571.1 7138.97,3530 7290.3,3530 7316.85,3503.46 7316.85,3468.5 U2_U_single_ended_to_diff_quad16.7@7317.63,3467.72 7317.52,3467.61 7317.52,3399.73 7270.89,3353.1 7270.89,3351.92 7262.86,3343.9 R17_U_single_ended_to_diff_quad16.2@7261.68,3343.9
NetR18_U_single_ended_to_diff_quad1_2: R18_U_single_ended_to_diff_quad1.2 R19_U_single_ended_to_diff_quad1.2 U2_U_single_ended_to_diff_quad1.32 | length 476.6
  Signal 1 w6: R18_U_single_ended_to_diff_quad1.2@746.68,3823.9 R18_U_single_ended_to_diff_quad1.2@747.86,3823.9
  Signal 1 w7: R19_U_single_ended_to_diff_quad1.2@569.3,3596.28 575.24,3596.28 595.34,3616.38 597.55,3616.38 599.09,3617.92 649.57,3617.92 682.49,3585 745,3585 791.85,3631.85 791.85,3692.09 U2_U_single_ended_to_diff_quad1.32@792.63,3692.87 792.63,3779.13 R18_U_single_ended_to_diff_quad1.2@747.86,3823.9
NetR18_U_single_ended_to_diff_quad2_2: R18_U_single_ended_to_diff_quad2.2 R19_U_single_ended_to_diff_quad2.2 U2_U_single_ended_to_diff_quad2.32 | length 471.3
  Signal 1 w7: R19_U_single_ended_to_diff_quad2.2@1229.3,3596.28 1235.24,3596.28 1255.34,3616.38 1257.55,3616.38 1259.09,3617.92 1309.57,3617.92 1332.49,3595 1420,3595 1451.85,3626.85 1451.85,3692.09 U2_U_single_ended_to_diff_quad2.32@1452.63,3692.87 1452.63,3779.13 1407.86,3823.9 R18_U_single_ended_to_diff_quad2.2@1406.68,3823.9
NetR18_U_single_ended_to_diff_quad3_2: R18_U_single_ended_to_diff_quad3.2 R19_U_single_ended_to_diff_quad3.2 U2_U_single_ended_to_diff_quad3.32 | length 476.6
  Signal 1 w7: R19_U_single_ended_to_diff_quad3.2@1884.3,3596.28 1890.24,3596.28 1910.34,3616.38 1912.55,3616.38 1914.09,3617.92 1964.57,3617.92 1997.49,3585 2060,3585 2106.85,3631.85 2106.85,3692.09 U2_U_single_ended_to_diff_quad3.32@2107.63,3692.87 2107.63,3779.13 2062.86,3823.9 R18_U_single_ended_to_diff_quad3.2@2061.68,3823.9